# KiCad board Keyboard.kicad_pcb (continued)
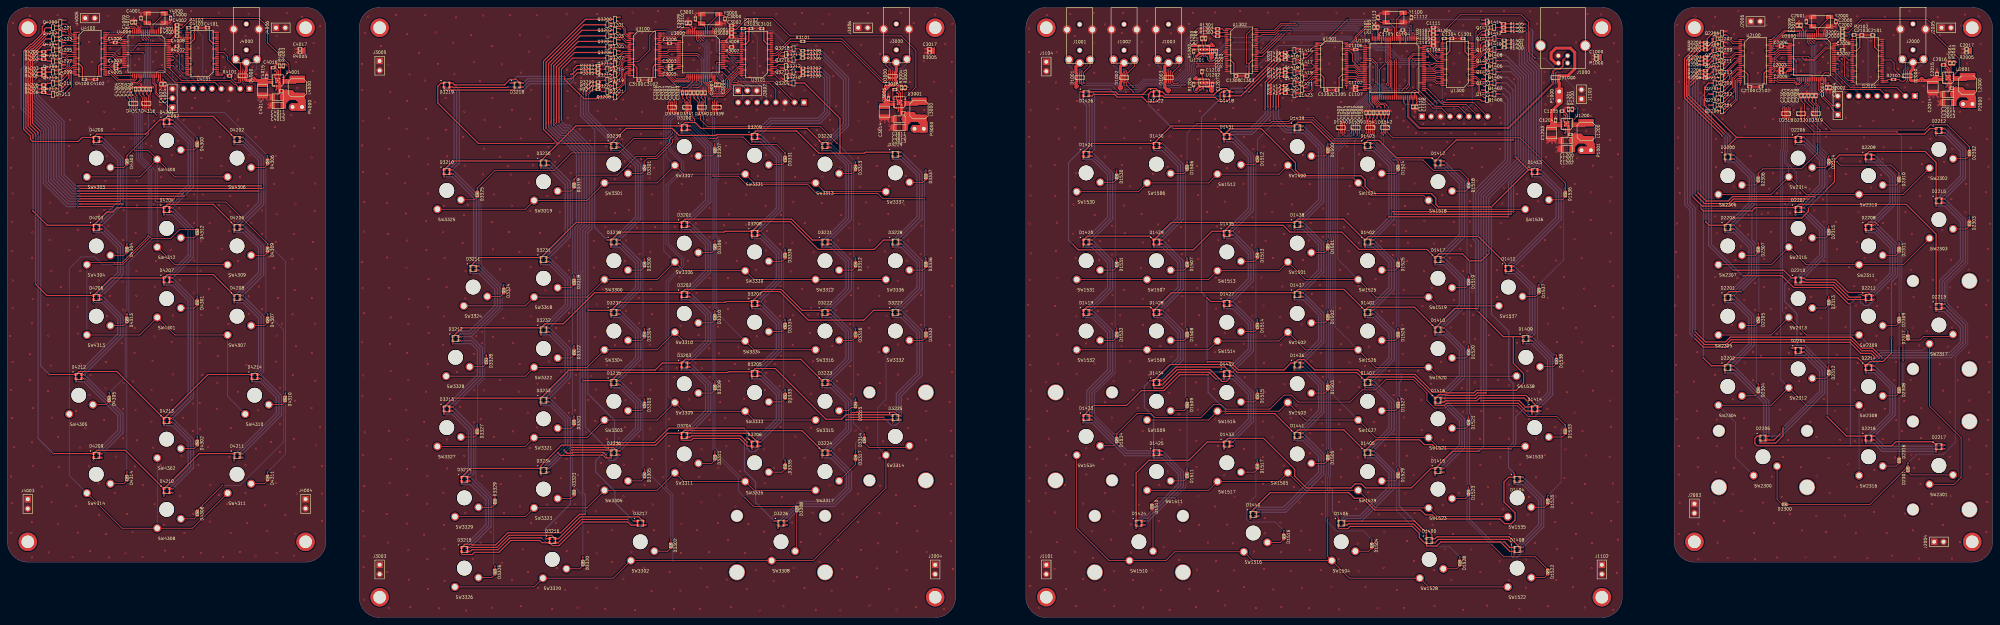
[diagram p0: board, top side]
## Routing (per net, layer and track width the routed paths; a pad name or vN(x,y) marks a point on that pad's centre or on a via; arc(x,y) is an arc through that point) (continued)
/Keyboard-Right/KeyMatrix-Right/KC5: length 290.2
  Top w0.2: SW1522.1 383.71,8.29 SW1528.1 362.33,10.67 SW1504.1 ; v2(356.48,26.68) 356.48,16.53 SW1504.1 ; SW1504.1 336.21,15.42 SW1516.1 315.17,17.79 312.8,15.42 SW1510.1 297.45,15.42 288.71,24.16 SW1534.1 ; v2(361.1,134) 361,133.9 D1540.6 D1540.5 361,131.5 361.1,131.4 v2(361.1,131) ; U1100.33 368.5,151.1 370,149.6 v2(370,144.3)
  Bottom w0.2: v2(361.1,134) 361.1,135.3 365.1,139.3 365.4,139.3 370,143.9 v2(370,144.3) ; v2(356.48,26.68) 356.48,33.57 357.07,34.18 357.07,37.88 357.27,38.07 357.27,44.07 357.57,44.38 357.57,45.57 357.27,45.88 357.27,63.08 357.57,63.38 357.57,64.47 357.27,64.78 357.27,82.08 357.57,82.38 357.57,83.47 357.27,83.78 357.27,101.08 357.57,101.38 357.57,102.47 357.27,102.78 357.27,126.47 361.1,130.3 v2(361.1,131)
/Keyboard-Right/KeyMatrix-Right/KC6: length 229.7
  Top w0.2: v2(369.5,144.7) 369.5,149.4 368.3,150.6 U1100.34 ; SW1535.1 386.08,27.29 SW1523.1 369.46,29.67 SW1529.1 356.48,34.42 v2(356.48,34.43) 356.47,34.42 350.46,34.42 SW1505.1 343.33,36.79 SW1517.1 324.33,34.42 SW1511.1 ; v2(360.6,134.5) 360.6,133.7 360.5,133.6 D1540.7 D1540.4 360.5,131.3 360.6,131.2 360.6,130.6 v2(360.5,130.5)
  Bottom w0.2: v2(369.5,144.7) 369.5,144 365.2,139.7 364.9,139.7 360.6,135.4 v2(360.6,134.5) ; v2(360.5,130.5) 356.68,126.67 356.68,102.58 357.07,102.17 357.07,101.67 356.68,101.28 356.68,83.58 357.07,83.17 357.07,82.67 356.68,82.28 356.68,64.58 357.07,64.17 357.07,63.67 356.68,63.28 356.68,45.68 357.07,45.28 357.07,44.68 356.68,44.28 356.68,38.28 356.48,38.07 v2(356.48,34.43)
/Keyboard-Right/KeyMatrix-Right/KR1: length 170.2
  Top w0.2: 366.85,135.95 v2(366.85,135.15) 367,135 D1541.5 D1541.6 367,131.1 v2(366.9,131) ; D1500.1 v2(356.5,128.05) ; v2(368.4,21.15) 368.38,21.12 D1504.1 ; v2(377.8,143) 378.6,143.8 378.6,151 379.7,152.1 U1100.95 ; v2(356.5,44.95) D1505.1 ; v2(356.5,101.95) D1501.1 ; v2(356.5,82.95) D1502.1 ; v2(356.5,63.95) D1503.1
  Bottom w0.2: v2(366.85,135.15) 366.85,137.75 371.6,142.5 374.1,142.5 374.6,143 v2(377.8,143) ; v2(366.9,131) 366.23,131.68 359.68,131.68 359.38,131.38 359.38,130.18 357.25,128.05 v2(356.5,128.05) 356.1,127.65 356.1,102.35 v2(356.5,101.95) 356.1,101.55 356.1,83.35 v2(356.5,82.95) 356.1,82.55 356.1,64.35 v2(356.5,63.95) 356.1,63.55 356.1,45.35 v2(356.5,44.95) 356.1,44.55 356.1,38.6 355.88,38.38 355.88,26.38 358.8,23.45 366.1,23.45 v2(368.4,21.15)
/Keyboard-Right/KeyMatrix-Right/KR2: length 199.3
  Top w0.2: v2(315.2,32.35) 310.65,32.35 D1510.1 ; v2(318.5,78.15) D1508.1 ; v2(318.5,40.15) D1511.1 ; v2(376.5,142.5) 378.2,144.2 378.2,151.17 378.3,151.27 378.3,151.3 379.6,152.6 U1100.96 ; v2(318.5,123.25) D1506.1 ; 367.85,135.95 v2(367.85,135.15) 367.4,134.7 367.4,133.7 367.5,133.6 D1541.4 D1541.7 367.5,131.3 367.4,131.2 367.4,130.7 366.98,130.28 366.07,130.28 365.27,129.47 358.27,129.47 352.57,135.18 346.98,135.18 345.98,134.18 341.48,134.18 340.88,133.57 v2(321.07,133.57) ; v2(318.5,97.15) D1507.1 ; v2(318.5,59.15) D1509.1
  Bottom w0.2: v2(321.07,133.57) 318.5,131 v2(318.5,123.25) 318.1,122.85 318.1,97.55 v2(318.5,97.15) 318.1,96.75 318.1,78.55 v2(318.5,78.15) 318.1,77.75 318.1,59.55 v2(318.5,59.15) v2(318.5,40.15) 318.2,39.85 318.2,35.35 v2(315.2,32.35) ; v2(376.5,142.5) 374.7,142.5 374.3,142.1 371.8,142.1 367.85,138.15 v2(367.85,135.15)
/Keyboard-Right/KeyMatrix-Right/KR3: length 175.3
  Top w0.2: v2(368.85,137.95) 368.85,138.25 367.8,139.3 367.8,142.1 368.4,142.7 368.4,143.5 367.8,144.1 U1100.47 ; v2(344.6,23.55) 344.62,23.53 D1516.1 ; D1512.1 v2(337.5,125.65) ; v2(337.5,99.55) D1513.1 ; v2(341.77,133.57) 346.27,133.57 347.27,134.57 352.38,134.57 358.07,128.88 365.57,128.88 366.38,129.68 367.57,129.68 368.6,130.7 368.6,131.2 368.5,131.3 D1541.9 D1541.2 368.5,133.6 368.6,133.7 368.6,134.9 v2(368.85,135.15) 368.85,135.95 ; v2(337.5,80.55) D1514.1 ; v2(337.5,61.55) D1515.1 ; v2(337.5,42.55) D1517.1
  Bottom w0.2: v2(368.85,135.15) v2(368.85,137.95) ; v2(344.6,23.55) 342.3,25.85 335.3,25.85 334.6,26.55 334.6,30.45 337.1,32.95 337.1,42.15 v2(337.5,42.55) 337.1,42.95 337.1,61.15 v2(337.5,61.55) 337.1,61.95 337.1,80.15 v2(337.5,80.55) 337.1,80.95 337.1,99.15 v2(337.5,99.55) 337.1,99.95 337.1,125.25 v2(337.5,125.65) 337.5,129.3 v2(341.77,133.57)
/Keyboard-Right/KeyMatrix-Right/KR4: length 169.2
  Top w0.2: v2(394.5,35.45) D1523.1 ; 369.85,135.95 v2(369.85,135.15) 369,134.3 D1541.1 D1541.10 369,131.1 v2(369.1,131) ; D1522.1 412.5,16.45 404,16.45 v2(400.9,19.55) ; v2(374.2,123.75) 382.2,123.75 385,120.95 392.1,120.95 v2(394.5,118.55) D1518.1 ; v2(369.85,137.95) 369.85,138.15 368.5,139.5 U1100.51 ; v2(394.5,73.45) D1520.1 ; v2(394.5,92.45) D1519.1 ; v2(394.5,54.45) D1521.1
  Bottom w0.2: v2(369.85,135.15) v2(369.85,137.95) ; v2(374.2,123.75) 369.1,128.85 v2(369.1,131) ; v2(394.5,118.55) 394.1,118.15 394.1,92.85 v2(394.5,92.45) 394.1,92.05 394.1,73.85 v2(394.5,73.45) 394.1,73.05 394.1,54.85 v2(394.5,54.45) 394.1,54.05 394.1,35.85 v2(394.5,35.45) 394.1,35.05 394.1,26.35 v2(400.9,19.55)
/Keyboard-Right/KeyMatrix-Right/KR5: length 144.8
  Top w0.2: v2(375.5,97.15) D1525.1 ; D1524.1 v2(375.5,123.25) ; v2(370.85,137.95) 370.5,138.3 370.3,138.3 369,139.6 U1100.52 ; v2(370.9,131) 371,131.1 D1542.6 D1542.5 371,135 v2(370.85,135.15) C1504.1 ; D1528.1 392.12,16.43 v2(392.1,16.45) ; v2(375.5,40.15) D1529.1 ; v2(375.5,59.15) D1527.1 ; v2(375.5,78.15) D1526.1
  Bottom w0.2: v2(370.85,135.15) v2(370.85,137.95) ; v2(392.1,16.45) 389.4,19.15 384.9,19.15 375.1,28.95 375.1,39.75 v2(375.5,40.15) 375.1,40.55 375.1,58.75 v2(375.5,59.15) 375.1,59.55 375.1,77.75 v2(375.5,78.15) 375.1,78.55 375.1,96.75 v2(375.5,97.15) 375.1,97.55 375.1,122.85 v2(375.5,123.25) 370.9,127.85 v2(370.9,131)
/Keyboard-Right/KeyMatrix-Right/KR6: length 323.6
  Top w0.2: v2(299.5,97.15) D1531.1 ; C1505.1 v2(371.85,135.15) 371.4,134.7 371.4,133.7 371.5,133.6 D1542.4 D1542.7 371.5,131.3 371.4,131.2 371.4,130.65 371.5,130.55 v2(371.5,130.5) ; D1534.1 v2(299.5,49.65) 305.02,55.18 308.77,55.18 309.88,54.07 322.18,54.07 325.77,57.68 327.68,57.68 328.98,56.38 340.88,56.38 344.68,60.18 346.68,60.18 348.57,58.28 362.48,58.28 365.77,61.57 369.38,61.57 372.18,64.38 379.57,64.38 383.27,60.68 383.27,58.68 385.27,56.68 388.27,56.68 388.88,57.28 407.68,57.28 410.57,54.38 418.3,54.38 v2(420.62,52.05) D1533.1 ; v2(371.85,137.95) 371.85,138.45 371.6,138.7 370.5,138.7 369.5,139.7 U1100.53 ; v2(415.9,33.05) 415.88,33.03 D1535.1 ; D1530.1 v2(299.5,120.95) ; v2(299.5,78.25) D1532.1
  Bottom w0.2: v2(299.5,120.95) 299.1,120.55 299.1,97.55 v2(299.5,97.15) 299.1,96.75 299.1,78.65 v2(299.5,78.25) 299.1,77.85 299.1,66.15 293.5,60.55 293.5,54.85 298.7,49.65 v2(299.5,49.65) ; v2(415.9,33.05) 419.5,36.65 419.5,50.93 v2(420.62,52.05) ; v2(375.68,64.38) 375.68,77.47 376.07,77.88 376.07,78.38 375.68,78.78 375.68,96.47 376.07,96.88 376.07,97.38 375.68,97.78 375.68,122.47 376.07,122.88 376.07,123.58 371.5,128.15 v2(371.5,130.5) ; v2(371.85,135.15) v2(371.85,137.95)
/Keyboard-Right/KeyMatrix-Right/KR7: length 121.1
  Top w0.2: D1536.1 v2(420.62,116.17) 420.62,117.53 408.4,129.75 374.05,129.75 372.5,131.3 D1542.9 D1542.2 372.5,133.6 372.6,133.7 372.6,134.9 v2(372.85,135.15) 372.85,135.95 ; U1100.54 370,139.8 370.7,139.1 371.9,139.1 v2(372.5,138.5) ; v2(413.5,90.05) D1537.1 ; D1538.1 418.25,71 v2(418.2,71.05)
  Bottom w0.2: v2(372.85,135.15) 372.85,138.15 v2(372.5,138.5) ; v2(420.62,116.17) 420.2,115.75 420.2,96.75 v2(413.5,90.05) 413.1,89.65 413.1,75.35 417.4,71.05 v2(418.2,71.05)
/Keyboard-Right/LED-Matrix-Right/LC1: length 5.9
  Top w0.2: U1300.2 396.75,144.35 397.1,144 397.1,142.2 398.7,140.6 Q1400.1
/Keyboard-Right/LED-Matrix-Right/LC1_X1: length 315.9
  Top w0.3: D1418.1 327.82,142.18 327.4,141.75 v1(327.4,140.28) ; D1400.1 v1(383.12,22.88) ; D1427.1 324.88,85.47 v1(323.9,86.45) ; 406.68,75.97 D1409.1 ; 406.68,75.97 403.88,75.97 v1(397.18,82.67) ; 406.68,75.97 406.57,75.88 406.57,68.78 409.38,65.97 409.38,63.47 407.38,61.47 396.57,61.47 395.88,60.78 388.57,60.78 388.38,60.97 384.88,60.97 380.07,65.78 365.88,65.78 364.68,66.97 352.98,66.97 350.18,69.78 348.43,69.78 D1436.1 346.55,68.85 344.68,66.97 332.38,66.97 330.18,69.17 v1(323.98,69.17) ; Q1400.3 v1(400.9,140.1)
  Bottom w0.3: v1(400.9,140.1) 403.25,140.1 404.38,138.97 404.38,123.78 395.77,115.17 395.77,102.28 396.48,101.58 396.48,83.38 v1(397.18,82.67) ; v1(323.98,69.17) 323.9,69.25 v1(323.9,86.45) 322.4,87.95 322.4,135.28 v1(327.4,140.28) ; v1(376.38,65.78) 376.38,64.17 375.77,63.58 375.77,59.88 376.18,59.47 376.18,58.88 375.77,58.47 375.77,40.78 376.07,40.47 376.07,39.68 375.77,39.38 375.77,30.22 v1(383.12,22.88)
/Keyboard-Right/LED-Matrix-Right/LC2: length 7.6
  Top w0.2: U1300.3 396.85,144.85 397.5,144.2 397.5,142.4 397.9,142 400.75,142 Q1401.1
/Keyboard-Right/LED-Matrix-Right/LC2_X1: length 181.1
  Top w0.3: D1419.1 291.45,84.05 308.55,84.05 D1428.1 314.25,87.85 D1437.1 348.4,88.75 360.85,88.75 D1401.1 367.35,83.95 379.9,83.95 D1410.1 390.73,83.58 v1(397.18,83.58) ; Q1401.3 v1(402.9,141.6)
  Bottom w0.3: v1(402.9,141.6) 403.8,141.6 405.1,140.3 405.1,123.5 396.48,114.88 396.48,102.58 397.18,101.88 v1(397.18,83.58)
/Keyboard-Right/LED-Matrix-Right/LC3: length 4.2
  Top w0.2: Q1402.1 398.7,143.6 396.45,145.85 U1300.5
/Keyboard-Right/LED-Matrix-Right/LC3_X1: length 172.1
  Top w0.3: D1420.1 291.55,103.15 308.45,103.15 D1429.1 314.25,106.85 D1438.1 348.4,107.75 360.85,107.75 D1402.1 367.45,103.05 397.15,103.05 v1(397.18,103.08) 404.5,95.75 D1411.1 ; Q1402.3 v1(400.9,143.1)
  Bottom w0.3: v1(400.9,143.1) 404.2,143.1 405.8,141.5 405.8,123.2 397.18,114.58 v1(397.18,103.08)
/Keyboard-Right/LED-Matrix-Right/LC4: length 5.9
  Top w0.2: Q1403.1 400.75,145 397.9,145 396.55,146.35 U1300.6
/Keyboard-Right/LED-Matrix-Right/LC4_X1: length 145.4
  Top w0.3: v1(406.5,129.15) 391.18,129.15 D1412.1 384.62,124.35 375,124.35 370.3,129.05 367.32,129.05 D1403.1 357.82,128.22 352.1,133.95 348.48,133.95 347.48,132.95 314.23,132.95 D1430.1 292.88,128.22 D1421.1 ; Q1403.3 v1(402.9,144.6)
  Bottom w0.3: v1(402.9,144.6) 404.6,144.6 406.5,142.7 v1(406.5,129.15)
/Keyboard-Right/LED-Matrix-Right/LC5: length 3.6
  Top w0.2: Q1404.1 398.1,147.35 U1300.8
/Keyboard-Right/LED-Matrix-Right/LC5_X1: length 329.4
  Top w0.3: v1(314.6,132.25) 326.85,132.25 D1431.1 330.07,132.18 338.57,132.18 347.77,122.97 347.77,121.08 349.38,119.47 365.48,119.47 366.57,118.38 366.57,116.67 368.57,114.67 384.48,114.67 385.68,113.47 385.68,111.78 386.38,111.08 v1(400.68,111.08) 410.7,121.1 ; 410.7,121.1 D1413.1 ; 410.7,121.1 410.65,121.1 v1(407.18,124.58) ; Q1404.3 v1(400.9,146.1) ; D1440.1 340.93,33.78 362.18,33.78 363.68,32.28 365.98,32.28 369.18,29.07 381.57,29.07 382.88,27.78 384.68,27.78 385.77,26.68 402.98,26.68 404.27,25.38 406.07,25.38 407.07,26.38 407.07,28.28 404.07,31.28 404.07,36.68 405.38,37.97 D1404.1 v1(406.88,38.97) ; D1422.1 308.73,142.18 308.1,141.55 v1(308.1,140.3)
  Bottom w0.3: v1(407.18,124.58) 407.18,143.88 404.95,146.1 v1(400.9,146.1) ; v1(400.68,111.08) 400.68,82.08 405.38,77.38 405.38,64.47 406.57,63.28 406.57,47.28 405.27,45.97 405.27,40.57 v1(406.88,38.97) ; v1(308.1,140.3) 308.1,138.75 v1(314.6,132.25)
/Keyboard-Right/LED-Matrix-Right/LC6: length 5.4
  Top w0.2: Q1405.1 400.6,147.85 U1300.9
/Keyboard-Right/LED-Matrix-Right/LC6_X1: length 264.7
  Top w0.3: D1423.1 293.27,57.38 302.18,57.38 306.18,61.38 312.27,61.38 316.57,65.67 v1(324.18,65.67) ; Q1405.3 v1(402.9,147.6) ; v1(397.88,58.68) 408.18,58.68 v1(409.88,56.97) D1414.1 ; v1(328.88,55.18) 342.18,55.18 D1441.1 348.4,50.75 360.85,50.75 D1405.1 369.48,48.07 381.27,48.07 382.57,46.78 384.68,46.78 385.77,45.68 v1(405.98,45.68) ; v1(327.48,66.47) D1432.1
  Bottom w0.3: v1(409.88,56.97) 407.27,54.38 407.27,46.97 v1(405.98,45.68) ; v1(327.48,66.47) 324.98,66.47 v1(324.18,65.67) 324.18,60.88 328.88,56.18 v1(328.88,55.18) ; v1(402.9,147.6) 406,147.6 407.9,145.7 407.9,124.3 397.88,114.28 v1(397.88,58.68)
/Keyboard-Right/LED-Matrix-Right/LC7: length 3.6
  Top w0.2: Q1406.1 397.4,149.6 396.65,148.85 U1300.11
/Keyboard-Right/LED-Matrix-Right/LC7_X1: length 246.1
  Top w0.3: Q1406.3 v1(400.9,149.1) ; v1(397.27,44.97) 390.12,44.97 D1415.1 384.35,40.35 379.07,35.07 366.68,35.07 365.57,36.18 363.88,36.18 362.77,35.07 350.77,35.07 347.57,38.28 347.57,40.07 339.18,48.47 329.5,48.47 D1433.1 323.93,47.47 319,42.55 308.2,42.55 304.75,39.1 D1424.1 ; D1406.1 v1(359.38,27.07)
  Bottom w0.3: v1(359.38,27.07) 357.77,28.68 v1(357.77,35.07) ; v1(397.27,44.97) 398.57,46.28 398.57,113.97 408.6,124 408.6,146 405.5,149.1 v1(400.9,149.1)
/Keyboard-Right/LED-Matrix-Right/LC8: length 6
  Top w0.2: Q1407.1 399.88,151.1 399.08,150.3 397.5,150.3 396.55,149.35 U1300.12
/Keyboard-Right/LED-Matrix-Right/LC8_X1: length 217.2
  Top w0.3: D1425.1 309.5,46.05 v1(309.48,46.07) ; v1(308.48,64.1) D1434.1 313.85,68.45 329.9,68.45 332.1,66.25 364.35,66.25 D1407.1 367.45,65.05 379.8,65.05 D1416.1 386.43,60.28 388.18,60.28 388.38,60.07 396.18,60.07 396.88,60.78 v1(399.27,60.78) ; Q1407.3 v1(402.9,150.6)
  Bottom w0.3: v1(399.27,60.78) 399.27,113.67 409.3,123.7 409.3,146.3 405,150.6 v1(402.9,150.6) ; v1(308.48,64.1) 306.98,62.6 306.98,56.78 309.48,54.28 v1(309.48,46.07)
/Keyboard-Right/LED-Matrix-Right/LC9: length 4.6
  Top w0.2: U1300.13 396.45,149.85 397.1,150.5 397.1,150.85 Q1408.1
/Keyboard-Right/LED-Matrix-Right/LC9_X1: length 317.8
  Top w0.3: D1426.1 v1(289.5,142.18) ; D1408.1 405.68,18.97 v1(404.18,20.47) ; Q1408.3 400.88,152.1 v1(400.9,152.12) ; v1(287.6,100.95) 289.1,99.45 320.2,99.45 325.23,104.47 D1435.1 330.1,106.08 344.48,106.08 346.3,104.25 360.3,104.25 365,99.55 383.3,99.55 D1417.1 386.52,98.38 392.88,98.38 v1(394.77,96.47) 397.98,96.47 v1(399.98,98.47)
  Bottom w0.3: v1(399.98,98.47) 399.98,113.38 410,123.4 410,146.6 404.48,152.12 v1(400.9,152.12) ; v1(394.77,96.47) 394.77,93.17 395.18,92.78 395.18,92.17 394.77,91.78 394.77,74.08 395.18,73.67 395.18,73.17 394.77,72.78 394.77,55.07 395.18,54.68 395.18,54.18 394.77,53.78 394.77,36.07 395.18,35.68 395.18,35.07 394.77,34.68 394.77,26.57 400.88,20.47 v1(404.18,20.47) ; v1(287.6,100.95) 286.5,102.05 286.5,123.05 291.4,127.95 291.4,138.45 289.5,140.35 v1(289.5,142.18)
/Keyboard-Right/LED-Matrix-Right/LR1: length 7.3
  Top w0.2: Q1409.1 400.45,153.7 398.8,153.7 398.1,153 398.1,152.5 396.7,151.1 396.7,150.8 396.25,150.35 U1300.14
/Keyboard-Right/LED-Matrix-Right/LR1_X1: length 310.5
  Top w0.3: D1406.4 v1(359.38,24.2) 359.52,24.05 361.93,24.05 362.52,24.65 379.32,24.65 381.23,22.75 381.23,21.62 382.6,20.25 D1400.4 383.12,19.45 383.23,19.35 385.93,19.35 387.02,20.45 403.12,20.45 405.7,17.88 D1408.4 v1(406.88,17.07) ; v1(406.88,36.07) D1404.4 ; v1(366.5,126.33) D1403.4 ; v1(366.5,81.2) D1401.4 ; 404.6,154.1 v1(405.3,154.1) ; v1(366.5,62.2) D1407.4 ; v1(373.02,108.28) 373.12,108.38 v1(405.27,108.38) ; v1(366.5,100.2) D1402.4 ; v1(366.5,43.2) D1405.4
  Bottom w0.3: v1(405.27,108.38) 405.27,117.67 410.7,123.1 410.7,146.9 408.2,149.4 408.2,153.6 407.7,154.1 v1(405.3,154.1) ; v1(359.38,24.2) 359.38,25.7 361.23,27.55 365.12,27.55 373.02,35.45 373.02,39.05 368.88,43.2 v1(366.5,43.2) 366.5,44.72 373.02,51.25 373.02,58.05 368.88,62.2 v1(366.5,62.2) 366.5,63.72 373.02,70.25 373.02,76.95 368.77,81.2 v1(366.5,81.2) 366.5,82.72 373.02,89.25 373.02,95.95 368.77,100.2 v1(366.5,100.2) 366.5,101.72 373.02,108.25 373.02,122.05 368.75,126.33 v1(366.5,126.33) ; v1(406.88,36.07) 409.1,36.07 413.43,31.75 413.43,25.15 406.88,18.6 v1(406.88,17.07)
/Keyboard-Right/LED-Matrix-Right/LR2: length 6.4
  Top w0.2: Q1410.1 398.4,155.6 397.7,154.9 397.7,152.7 396.35,151.35 U1300.16
/Keyboard-Right/LED-Matrix-Right/LR2_X1: length 304
  Top w0.3: v1(406.12,20.25) 405.23,21.15 386.38,21.15 v1(385.48,20.25) D1400.3 ; D1403.3 v1(368.85,127.12) ; 404.6,155.1 405.6,155.1 v1(406.6,156.1) ; D1407.3 v1(368.85,63) ; D1405.3 v1(368.85,44) ; v1(406.68,109.78) v1(373.73,109.78) ; D1408.3 v1(409.23,17.88) ; D1402.3 v1(368.85,101) ; D1401.3 v1(368.85,82) ; D1404.3 v1(409.23,36.88) ; D1406.3 v1(361.73,25) 362.07,25.35 379.62,25.35 v1(381.43,23.55)
  Bottom w0.3: v1(409.23,36.88) 409.3,36.88 414.12,32.05 414.12,24.85 408.52,19.25 408.52,18.57 v1(409.23,17.88) 407.7,16.35 406.43,16.35 406.12,16.65 v1(406.12,20.25) ; v1(381.43,23.55) 384.73,20.25 v1(385.48,20.25) ; v1(368.85,127.12) 368.95,127.12 373.73,122.35 373.73,107.95 368.12,102.35 368.12,101.72 v1(368.85,101) 368.98,101 373.73,96.25 373.73,88.95 368.12,83.35 368.12,82.72 v1(368.85,82) 368.98,82 373.73,77.25 373.73,69.95 368.12,64.35 368.12,63.72 v1(368.85,63) 368.98,63 373.73,58.25 373.73,50.95 368.12,45.35 368.12,44.72 v1(368.85,44) 369.07,44 373.73,39.35 373.73,35.15 365.32,26.75 361.43,26.75 361.02,26.35 361.02,25.7 v1(361.73,25) ; v1(406.6,156.1) 407.7,156.1 409.6,154.2 409.6,150 412.1,147.5 412.1,122.5 406.68,117.08 v1(406.68,109.78)
/Keyboard-Right/LED-Matrix-Right/LR3: length 9.4
  Top w0.2: Q1411.1 400.65,156.9 398.1,156.9 397.3,156.1 397.3,152.9 396.25,151.85 U1300.17
/Keyboard-Right/LED-Matrix-Right/LR3_X1: length 292.5
  Top w0.3: v1(368.85,45.1) D1405.2 ; v1(368.85,64.1) D1407.2 ; D1406.2 v1(365.68,26.1) 379.95,26.1 382.48,23.57 383.48,23.57 384.62,22.43 D1400.2 385.48,21.35 385.98,21.85 405.5,21.85 D1408.2 v1(409.23,18.97) ; v1(368.85,83.1) D1401.2 ; v1(405.98,109.08) v1(374.43,109.08) ; v1(368.85,128.22) D1403.2 ; 404.6,156.1 v1(405.3,156.1) ; v1(409.23,37.97) D1404.2 ; v1(368.85,102.1) D1402.2
  Bottom w0.3: v1(365.68,26.1) 374.43,34.85 374.43,39.53 v1(368.85,45.1) 374.43,50.68 374.43,58.53 v1(368.85,64.1) 374.43,69.67 374.43,77.53 v1(368.85,83.1) 374.43,88.67 374.43,96.53 v1(368.85,102.1) 374.43,107.67 374.43,122.65 v1(368.85,128.22) ; v1(405.3,156.1) 406.3,155.1 407.7,155.1 408.9,153.9 408.9,149.7 411.4,147.2 411.4,122.8 405.98,117.38 v1(405.98,109.08) ; v1(409.23,18.97) 414.82,24.57 414.82,32.38 v1(409.23,37.97)
/Keyboard-Right/LED-Matrix-Right/LR4: length 7.9
  Top w0.2: Q1412.1 398.15,158.55 396.9,157.3 396.9,153.4 396.35,152.85 U1300.19
/Keyboard-Right/LED-Matrix-Right/LR4_X1: length 275.3
  Top w0.3: v1(409.25,74.08) D1409.4 ; v1(385.5,76.45) D1410.4 ; v1(385.5,95.45) D1417.4 ; v1(411.62,55.07) D1414.4 409.98,55.88 407.9,57.95 388.62,57.95 388.02,57.35 385.6,57.35 v1(385.5,57.45) D1416.4 ; v1(404.5,93.08) D1411.4 ; R1403.1 v1(409.82,158.55) ; v1(385.5,121.58) D1412.4 ; v1(385.5,38.45) D1415.4 ; v1(411.62,119.2) D1413.4
  Bottom w0.3: v1(385.5,38.45) 385.5,40.03 392.02,46.55 392.02,53.15 387.73,57.45 v1(385.5,57.45) 385.5,59.03 392.02,65.55 392.02,72.25 387.82,76.45 v1(385.5,76.45) 385.5,78.03 392.02,84.55 392.02,91.15 387.73,95.45 v1(385.5,95.45) 385.5,97.03 392.02,103.55 392.02,117.35 387.8,121.58 v1(385.5,121.58) ; v1(411.62,55.07) 411.62,56.65 415.82,60.85 415.82,69.75 411.5,74.08 v1(409.25,74.08) 409.25,75.58 411.02,77.35 411.02,88.85 406.8,93.08 v1(404.5,93.08) 404.5,94.62 418.12,108.25 418.12,114.95 413.88,119.2 v1(411.62,119.2) 411.62,121.05 412.82,122.25 412.82,147.85 410.32,150.35 410.32,158.05 v1(409.82,158.55)
/Keyboard-Right/LED-Matrix-Right/LR5: length 10.9
  Top w0.2: U1300.20 396.25,153.35 396.5,153.6 396.5,158.5 397.95,159.95 400.7,159.95 Q1413.1
/Keyboard-Right/LED-Matrix-Right/LR5_X1: length 265.8
  Top w0.3: D1417.3 v1(387.85,96.25) ; D1414.3 v1(413.98,55.88) ; D1412.3 v1(387.85,122.38) ; v1(410.52,58.35) 409.5,59.38 397.48,59.38 396.75,58.65 388.25,58.65 v1(387.85,58.25) D1416.3 ; D1411.3 v1(406.85,93.88) ; D1413.3 v1(413.98,120) ; R1404.1 v1(409.82,159.55) ; D1415.3 v1(387.85,39.25) ; D1409.3 v1(411.6,74.88) ; D1410.3 v1(387.85,77.25)
  Bottom w0.3: v1(387.85,39.25) 387.12,39.97 387.12,40.65 392.73,46.25 392.73,53.45 387.93,58.25 v1(387.85,58.25) 387.12,58.97 387.12,59.65 392.73,65.25 392.73,72.55 388.02,77.25 v1(387.85,77.25) 387.12,77.97 387.12,78.65 392.73,84.25 392.73,91.45 387.93,96.25 v1(387.85,96.25) 387.12,96.97 387.12,97.65 392.73,103.25 392.73,117.65 388,122.38 v1(387.85,122.38) ; v1(409.82,159.55) 411.02,158.35 411.02,150.75 413.52,148.25 413.52,121.65 413.32,121.45 413.32,120.65 v1(413.98,120) 414.07,120 418.82,115.25 418.82,107.95 406.12,95.25 406.12,94.6 v1(406.85,93.88) 407,93.88 411.73,89.15 411.73,77.05 410.93,76.25 410.93,75.55 v1(411.6,74.88) 411.7,74.88 416.52,70.05 416.52,60.55 413.23,57.25 413.23,56.62 v1(413.98,55.88) 412.45,54.35 411.32,54.35 410.52,55.15 v1(410.52,58.35)
/Keyboard-Right/LED-Matrix-Right/LR6: length 48.4
  Top w0.2: v2(361.8,161.7) 354.8,154.7 354.3,154.7 354.15,154.85 U1301.2 ; v2(398.1,161.55) Q1414.1
  Bottom w0.2: v2(361.8,161.7) 397.95,161.7 v2(398.1,161.55)
/Keyboard-Right/LED-Matrix-Right/LR6_X1: length 260.9
  Top w0.3: v1(413.98,121.1) D1413.2 ; v1(409.82,160.55) R1405.1 ; D1416.2 v1(387.85,59.35) 396.45,59.35 397.18,60.07 410.02,60.07 D1414.2 v1(413.98,56.97) ; v1(387.85,123.47) D1412.2 ; v1(387.85,40.35) D1415.2 ; v1(387.85,97.35) D1417.2 ; v1(411.6,75.97) D1409.2 ; v1(387.85,78.35) D1410.2 ; v1(406.85,94.97) D1411.2
  Bottom w0.3: v1(409.82,160.55) 411.82,158.55 411.82,156.95 411.73,156.85 411.73,151.05 414.23,148.55 414.23,121.35 v1(413.98,121.1) 419.52,115.55 419.52,107.65 v1(406.85,94.97) 412.43,89.4 412.43,76.8 v1(411.6,75.97) 417.23,70.35 417.23,60.22 v1(413.98,56.97) ; v1(387.85,40.35) 393.43,45.93 393.43,53.78 v1(387.85,59.35) 393.43,64.92 393.43,72.78 v1(387.85,78.35) 393.43,83.92 393.43,91.78 v1(387.85,97.35) 393.43,102.92 393.43,117.9 v1(387.85,123.47)
/Keyboard-Right/LED-Matrix-Right/LR7: length 5.9
  Top w0.2: U1301.3 352.65,154.35 351.25,152.95 348.25,152.95 Q1415.1
/Keyboard-Right/LED-Matrix-Right/LR7_X1: length 230.9
  Top w0.3: v1(309.5,140.28) D1422.4 ; 343.95,152.85 R1406.1 343.85,152.85 334.15,143.15 v1(334.02,143.15) ; v1(290.5,140.28) D1426.4 ; v1(290.5,52.7) D1423.4 ; v1(290.5,123.95) D1421.4 ; v1(290.5,100.2) D1420.4 ; v1(309.5,43.2) D1425.4 ; v1(290.5,81.2) D1419.4 ; v1(304.75,24.2) D1424.4 ; v1(328.5,140.28) D1418.4
  Bottom w0.3: 328.5,141.03 310.25,141.03 v1(309.5,140.28) 308.32,141.45 299.12,141.45 297.73,142.85 292.02,142.85 290.5,141.32 v1(290.5,140.28) 292.12,138.65 292.12,127.75 290.5,126.12 v1(290.5,123.95) 292.82,123.95 297.02,119.75 297.02,108.25 290.5,101.72 v1(290.5,100.2) 292.77,100.2 297.02,95.95 297.02,89.25 290.5,82.72 v1(290.5,81.2) 292.77,81.2 297.02,76.95 297.02,66.95 291.43,61.35 291.43,53.62 v1(290.5,52.7) 292.77,52.7 301.73,43.75 308.95,43.75 v1(309.5,43.2) 311.77,43.2 316.12,38.85 316.12,36.15 307.52,27.55 306.52,27.55 304.75,25.78 v1(304.75,24.2) ; 328.5,141.03 330.62,143.15 v1(334.02,143.15) ; 328.5,141.03 v1(328.5,140.28)
/Keyboard-Right/LED-Matrix-Right/LR8: length 4.1
  Top w0.2: Q1416.1 350.75,151.35 352.75,153.35 U1301.5
/Keyboard-Right/LED-Matrix-Right/LR8_X1: length 217.6
  Top w0.3: D1425.3 v1(311.85,44) ; D1421.3 v1(292.85,124.75) ; D1423.3 v1(292.85,53.5) ; R1407.1 343.85,151.85 333.07,141.07 D1418.3 330,140.32 329.23,139.55 327.23,139.55 326.12,140.65 312.27,140.65 311.85,141.07 D1422.3 311,140.12 310.32,139.45 307.7,139.45 306.4,140.75 299.62,140.75 298.93,141.45 293.23,141.45 v1(292.85,141.07) D1426.3 ; D1420.3 v1(292.85,101) ; D1424.3 v1(307.1,25) ; D1419.3 v1(292.85,82)
  Bottom w0.3: v1(292.85,141.07) 292.85,127.47 292.12,126.75 292.12,125.47 v1(292.85,124.75) 293.02,124.75 297.73,120.05 297.73,107.95 292.12,102.35 292.12,101.72 v1(292.85,101) 292.98,101 297.73,96.25 297.73,88.95 292.12,83.35 292.12,82.72 v1(292.85,82) 292.98,82 297.73,77.25 297.73,66.65 292.12,61.05 292.12,54.22 v1(292.85,53.5) 292.98,53.5 302.02,44.45 311.4,44.45 v1(311.85,44) 311.98,44 316.82,39.15 316.82,35.85 307.82,26.85 306.82,26.85 306.43,26.45 306.43,25.68 v1(307.1,25)
/Keyboard-Right/LED-Matrix-Right/LR9: length 5.6
  Top w0.2: U1301.13 352.65,149.35 352.05,149.95 348.25,149.95 Q1417.1
/Keyboard-Right/LED-Matrix-Right/LR9_X1: length 215.2
  Top w0.3: v1(311.85,45.1) D1425.2 ; v1(330.85,142.18) D1418.2 329.12,143.05 327.43,143.05 325.73,141.35 312.68,141.35 311.85,142.18 D1422.2 310.12,143.05 308.12,143.05 306.52,141.45 299.93,141.45 299.2,142.18 v1(292.85,142.18) D1426.2 ; v1(307.1,26.1) D1424.2 ; v1(292.85,83.1) D1419.2 ; v1(292.85,125.85) D1421.2 ; v1(292.85,102.1) D1420.2 ; v1(335.23,142.15) 343.93,150.85 R1408.1 ; v1(292.85,54.6) D1423.2
  Bottom w0.3: v1(292.85,142.18) 293.52,141.5 293.52,126.53 v1(292.85,125.85) 298.43,120.28 298.43,107.67 v1(292.85,102.1) 298.43,96.53 298.43,88.67 v1(292.85,83.1) 298.43,77.53 298.43,66.35 292.85,60.78 v1(292.85,54.6) 302.35,45.1 v1(311.85,45.1) 317.52,39.43 317.52,35.55 308.07,26.1 v1(307.1,26.1) ; v1(335.23,142.15) 335.25,142.18 v1(330.85,142.18)
/Keyboard-Right/LED-Matrix-Right/LR10: length 3.5
  Top w0.2: Q1418.1 352.25,148.35 352.75,148.85 U1301.14
/Keyboard-Right/LED-Matrix-Right/LR10_X1: length 253.4
  Top w0.3: D1434.4 v1(309.5,62.2) 309.65,62.05 311.93,62.05 316.23,66.35 324.43,66.35 v1(326.23,64.55) ; v1(309.5,100.2) D1429.4 ; v1(309.5,126.33) D1430.4 ; v1(328.5,83.58) D1427.4 ; v1(328.5,64.58) D1432.4 ; v1(339.6,137.6) 339.6,144.8 343.15,148.35 R1409.1 ; v1(328.5,128.7) D1431.4 ; v1(328.5,45.57) D1433.4 ; v1(328.5,102.58) D1435.4 ; v1(309.5,81.2) D1428.4